# KiCad board Video Timer.kicad_pcb (continued)
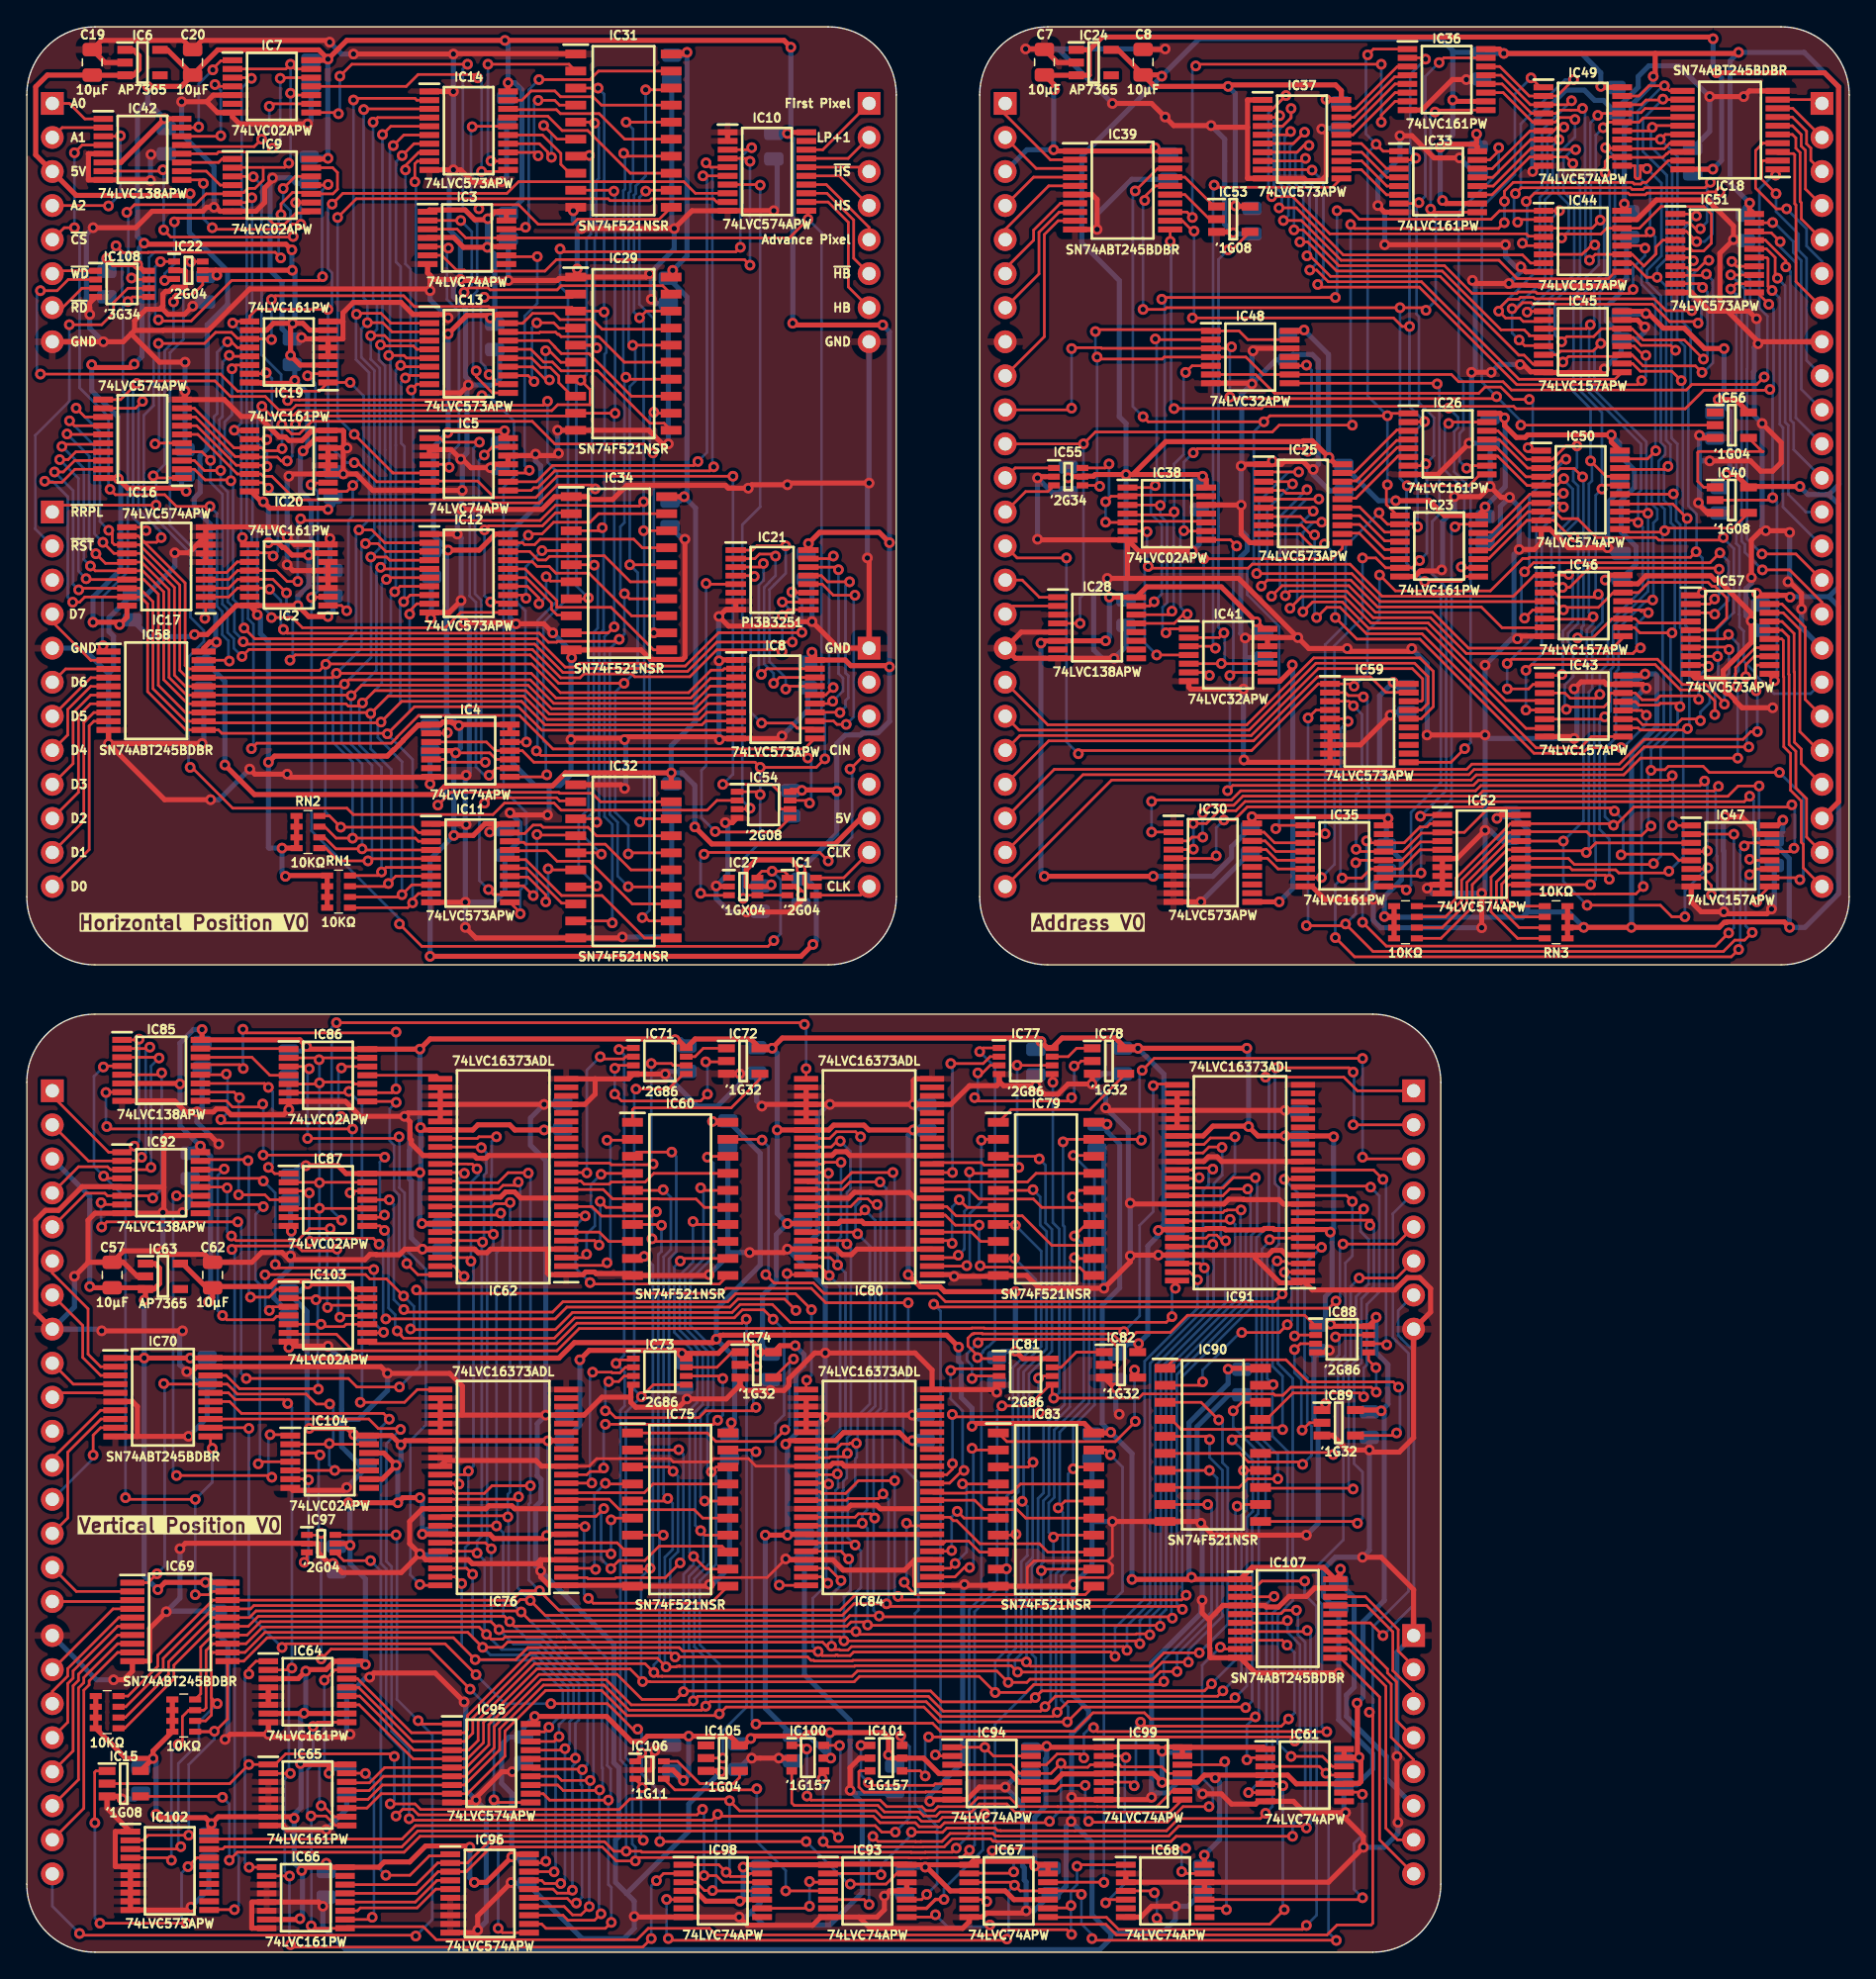
[diagram p0: board, top side]
## Library data of the parts (continued)
IC29 IC31 IC32 IC34 IC60 IC75 IC79 IC83 IC90 = -: Description: 8-Bit Identity/Magnitude Comparators (P=Q) with Enable; Height: 2; Manufacturer_Name: Texas Instruments; Mouser Part Number: 595-SN74F521NSR; Mouser Price/Stock: https://www.mouser.co.uk/ProductDetail/Texas-Instruments/SN74F521NSR?qs=mE33ZKBHyE6KJhInhzfN1g%3D%3D; Silkscreen: 74F521NSR
IC41 IC48 = -: Description: 74LVC32A - Quad 2-input OR gate@en-us; Height: 1.1; Manufacturer_Name: Nexperia; Mouser Part Number: 771-74LVC32APW-T; Mouser Price/Stock: https://www.mouser.com/Search/Refine.aspx?Keyword=771-74LVC32APW-T; Silkscreen: 74LVC32APW
IC43-IC47 = -: Description: NEXPERIA - 74LVC157APW,118 - MUX, QUAD, 8 I/P, TSSOP-16; Height: 1.1; Manufacturer_Name: Nexperia; Mouser Part Number: 771-74LVC157APW-T; Mouser Price/Stock: https://www.mouser.co.uk/ProductDetail/Nexperia/74LVC157APW118?qs=me8TqzrmIYWzCqHfrjyLrQ%3D%3D; Silkscreen: 74LVC157APW
IC51 IC57 IC59 = -: Description: 74LVC573A - Octal D-type transparent latch with 5 V tolerant inputs/outputs; 3-state@en-us; Height: 1.1; Manufacturer_Name: Nexperia; Manufacturer_Part_Number: 74LVC573APW,118; Mouser Part Number: 771-74LVC573APW-T; Mouser Price/Stock: https://www.mouser.co.uk/ProductDetail/Nexperia/74LVC573APW118/?qs=me8TqzrmIYU4mlL%252B5pgpig%3D%3D; Silkscreen: 74LVC573APW
IC54 = -: Description: 74LVC2G08-Q100 - Dual 2-input AND gate@en-us; Height: 1.1; Manufacturer_Name: Nexperia; Mouser Part Number: 771-74LVC2G08DPQ100H; Mouser Price/Stock: https://www.mouser.co.uk/ProductDetail/Nexperia/74LVC2G08DP-Q100H?qs=fi7yB2oewZnJ07IC2YGuEQ%3D%3D; Silkscreen: '2G08
IC55 = -: Description: 74LVC2G34 - Dual buffer gate@en-us, -40 C to +125 C, TSSOP6- plastic thin shrink small outline package; 6 leads; body width 1.25 mm; Height: 1.1; Manufacturer_Name: Nexperia; Mouser Part Number: 771-LVC2G34GW125; Silkscreen: '2G34
IC56 IC105 = -: Description: NXP 74LVC1G04GV,125 Inverter, 1.65  5.5 V, 5-Pin SC-74A; Height: 1.1; Manufacturer_Name: Nexperia; Mouser Part Number: 771-74LVC1G04GV; Mouser Price/Stock: https://www.mouser.co.uk/ProductDetail/Nexperia/74LVC1G04GV125?qs=me8TqzrmIYW6McwMAxl%2F9w%3D%3D; Silkscreen: '1G04
IC62 IC76 IC80 IC84 IC91 = -: Description: 74LVC16373A; 74LVCH16373A - 16-bit D-type transparent latch with 5 V tolerant inputs/outputs; 3-state@en-us; Height: 2.8; Manufacturer_Name: Nexperia; Mouser Part Number: 771-LVC16373ADL118; Mouser Price/Stock: https://www.mouser.com/Search/Refine.aspx?Keyword=771-LVC16373ADL118; Silkscreen: 74LVC16373ADL
IC71 IC73 IC77 IC81 IC88 = -: Description: 74LVC2G86 - Dual 2-input EXCLUSIVE-OR gate@en-us; Height: 1.1; Manufacturer_Name: Nexperia; Mouser Part Number: 771-LVC2G86DP125; Mouser Price/Stock: https://www.mouser.co.uk/ProductDetail/Nexperia/74LVC2G86DP125?qs=me8TqzrmIYU4VUcP1CeUGw%3D%3D; Silkscreen: '2G86
IC72 IC74 IC78 IC82 IC89 = -: Description: NEXPERIA - 74LVC1G32GV,125 - OR GATE, SINGLE, 2 I/P, SC-74A-5; Height: 1.1; Manufacturer_Name: Nexperia; Mouser Part Number: 771-LVC1G32GV125; Mouser Price/Stock: https://www.mouser.co.uk/ProductDetail/Nexperia/74LVC1G32GV125?qs=me8TqzrmIYXExQH4V9SARg%3D%3D; Silkscreen: '1G32
IC100 IC101 = -: Description: Nexperia 74LVC1G157GV,125, Multiplexer Encoder, 2 to 1, 6-Pin SC-74; Height: 1.1; Manufacturer_Name: Nexperia; Mouser Part Number: 771-74LVC1G157GV-G; Mouser Price/Stock: https://www.mouser.co.uk/ProductDetail/Nexperia/74LVC1G157GV125?qs=me8TqzrmIYVvTEwYoevmpg%3D%3D; Silkscreen: '1G157
IC106 = -: Description: 74LVC1G11-Q100 - Single 3-input AND gate@en-us; Height: 1.1; Manufacturer_Name: Nexperia; Mouser Part Number: 771-74LVC1G11GWQ100H; Mouser Price/Stock: https://www.mouser.co.uk/ProductDetail/Nexperia/74LVC1G11GW-Q100H?qs=cbprxTG2Yq8FEeh2WZ6ztg%3D%3D; Silkscreen: '1G11
IC108 = -: Description: Buffer, Non-Inverting 3 Element 1 Bit per Element Push-Pull Output 8-TSSOP; Height: 1.1; Manufacturer_Name: Nexperia; Mouser Part Number: 771-74LVC3G34DP-G; Mouser Price/Stock: https://www.mouser.co.uk/ProductDetail/Nexperia/74LVC3G34DP125?qs=me8TqzrmIYV28Fy3BYLivg%3D%3D; Silkscreen: '3G34
J1-J3 J7 J12 = -: Description: Generic connector, single row, 01x08, script generated
J4 J6 J11 = -: Description: Generic connector, single row, 01x24, script generated
J5 = -: Description: Generic connector, single row, 01x12, script generated
RN1-RN6 = -: Description: Bourns CAY16 Series 4.7k +/-5% Isolated SMT Resistor Array, 4 Resistors, 0.25W total 1206 (3216M) package Convex; Manufacturer_Name: Bourns; Mouser Part Number: 652-CAY16-103J4LF; Mouser Price/Stock: https://www.mouser.co.uk/ProductDetail/Bourns/CAY16-472J4LF?qs=vjljXApjgZXDWSqaYW6%252BOA%3D%3D; Silkscreen: 10KΩ

## Footprints (pads in the part's own frame, mm; a bottom-side part is the same pattern mirrored in y, then rotated)
74LVC1G157GV125
  rect 0.8x0.55 smd: 1(-1.2,0.95) 2(-1.2,0) 3(-1.2,-0.95) 4(1.2,-0.95) 5(1.2,0) 6(1.2,0.95)
74LVC2G34GW125
  rect 0.875x0.45 smd: 1(-1.059,0.618) 2(-1.059,-0.032) 3(-1.059,-0.682) 4(1.065,-0.682) 5(1.065,-0.032) 6(1.065,0.618)
C_0805
  rrect 1.45x1 smd: 1(0,-0.934) 2(0,0.966)
CAY16-J4
  rect 0.9x0.45 smd: 1(0.879,-1.2) 2(0.879,-0.4) 3(0.879,0.4) 4(0.879,1.2) 5(-0.821,1.2) 6(-0.821,0.4) 7(-0.821,-0.4) 8(-0.821,-1.2)
PinHeader_1x08_P2.54mm_Vertical
  rect 1.7x1.7 hole 1: 1(0,0)
  oval 1.7x1.7 hole 1: 2(0,-2.54) 3(0,-5.08) 4(0,-7.62) 5(0,-10.16) 6(0,-12.7) 7(0,-15.24) 8(0,-17.78)
PinHeader_1x12_P2.54mm_Vertical
  rect 1.7x1.7 hole 1: 1(0,0)
  oval 1.7x1.7 hole 1: 2(0,-2.54) 3(0,-5.08) 4(0,-7.62) 5(0,-10.16) 6(0,-12.7) 7(0,-15.24) 8(0,-17.78) 9(0,-20.32) 10(0,-22.86) 11(0,-25.4) 12(0,-27.94)
PinHeader_1x24_P2.54mm_Vertical
  rect 1.7x1.7 hole 1: 1(0,0)
  oval 1.7x1.7 hole 1: 2(0,-2.54) 3(0,-5.08) 4(0,-7.62) 5(0,-10.16) 6(0,-12.7) 7(0,-15.24) 8(0,-17.78) 9(0,-20.32) 10(0,-22.86) 11(0,-25.4) 12(0,-27.94) 13(0,-30.48) 14(0,-33.02) 15(0,-35.56) 16(0,-38.1) 17(0,-40.64) 18(0,-43.18) 19(0,-45.72) 20(0,-48.26) 21(0,-50.8) 22(0,-53.34) 23(0,-55.88) 24(0,-58.42)
SOIC127P780X200-20N
  rect 1.55x0.65 smd: 1(-3.562,5.715) 2(-3.562,4.445) 3(-3.562,3.175) 4(-3.562,1.905) 5(-3.562,0.635) 6(-3.562,-0.635) 7(-3.562,-1.905) 8(-3.562,-3.175) 9(-3.562,-4.445) 10(-3.562,-5.715) 11(3.562,-5.715) 12(3.562,-4.445) 13(3.562,-3.175) 14(3.562,-1.905) 15(3.562,-0.635) 16(3.562,0.635) 17(3.562,1.905) 18(3.562,3.175) 19(3.562,4.445) 20(3.562,5.715)
SOP64P599X175-16N
  rect 1.525x0.43 smd: 1(-2.712,2.222) 2(-2.712,1.588) 3(-2.712,0.952) 4(-2.712,0.318) 5(-2.712,-0.318) 6(-2.712,-0.952) 7(-2.712,-1.588) 8(-2.712,-2.222) 9(2.712,-2.222) 10(2.712,-1.588) 11(2.712,-0.952) 12(2.712,-0.318) 13(2.712,0.318) 14(2.712,0.952) 15(2.712,1.588) 16(2.712,2.222)
SOP64P1025X280-48N
  rect 1.8x0.43 smd: 1(-4.7,7.302) 2(-4.7,6.668) 3(-4.7,6.032) 4(-4.7,5.398) 5(-4.7,4.762) 6(-4.7,4.128) 7(-4.7,3.492) 8(-4.7,2.858) 9(-4.7,2.222) 10(-4.7,1.588) 11(-4.7,0.952) 12(-4.7,0.318) 13(-4.7,-0.318) 14(-4.7,-0.952) 15(-4.7,-1.588) 16(-4.7,-2.222) 17(-4.7,-2.858) 18(-4.7,-3.492) 19(-4.7,-4.128) 20(-4.7,-4.762) 21(-4.7,-5.398) 22(-4.7,-6.032) 23(-4.7,-6.668) 24(-4.7,-7.302) 25(4.7,-7.302) 26(4.7,-6.668) 27(4.7,-6.032) 28(4.7,-5.398) 29(4.7,-4.762) 30(4.7,-4.128) 31(4.7,-3.492) 32(4.7,-2.858) 33(4.7,-2.222) 34(4.7,-1.588) 35(4.7,-0.952) 36(4.7,-0.318) 37(4.7,0.318) 38(4.7,0.952) 39(4.7,1.588) 40(4.7,2.222) 41(4.7,2.858) 42(4.7,3.492) 43(4.7,4.128) 44(4.7,4.762) 45(4.7,5.398) 46(4.7,6.032) 47(4.7,6.668) 48(4.7,7.302)
SOP65P210X110-6N
  rect 0.875x0.45 smd: 1(-1.062,0.65) 2(-1.062,0) 3(-1.062,-0.65) 4(1.062,-0.65) 5(1.062,0) 6(1.062,0.65)
SOP65P400X110-8N
  rect 0.95x0.45 smd: 1(-1.975,0.975) 2(-1.975,0.325) 3(-1.975,-0.325) 4(-1.975,-0.975) 5(1.975,-0.975) 6(1.975,-0.325) 7(1.975,0.325) 8(1.975,0.975)
SOP65P640X110-14N
  rect 1.475x0.45 smd: 1(-2.938,1.95) 2(-2.938,1.3) 3(-2.938,0.65) 4(-2.938,0) 5(-2.938,-0.65) 6(-2.938,-1.3) 7(-2.938,-1.95) 8(2.938,-1.95) 9(2.938,-1.3) 10(2.938,-0.65) 11(2.938,0) 12(2.938,0.65) 13(2.938,1.3) 14(2.938,1.95)
SOP65P640X110-16N
  rect 1.45x0.45 smd: 1(-2.925,2.275) 2(-2.925,1.625) 3(-2.925,0.975) 4(-2.925,0.325) 5(-2.925,-0.325) 6(-2.925,-0.975) 7(-2.925,-1.625) 8(-2.925,-2.275) 9(2.925,-2.275) 10(2.925,-1.625) 11(2.925,-0.975) 12(2.925,-0.325) 13(2.925,0.325) 14(2.925,0.975) 15(2.925,1.625) 16(2.925,2.275)
SOP65P640X110-20N
  rect 1.475x0.45 smd: 1(-2.938,2.925) 2(-2.938,2.275) 3(-2.938,1.625) 4(-2.938,0.975) 5(-2.938,0.325) 6(-2.938,-0.325) 7(-2.938,-0.975) 8(-2.938,-1.625) 9(-2.938,-2.275) 10(-2.938,-2.925) 11(2.938,-2.925) 12(2.938,-2.275) 13(2.938,-1.625) 14(2.938,-0.975) 15(2.938,-0.325) 16(2.938,0.325) 17(2.938,0.975) 18(2.938,1.625) 19(2.938,2.275) 20(2.938,2.925)
SOP65P780X200-20N
  rect 1.8x0.45 smd: 1(-3.55,2.925) 2(-3.55,2.275) 3(-3.55,1.625) 4(-3.55,0.975) 5(-3.55,0.325) 6(-3.55,-0.325) 7(-3.55,-0.975) 8(-3.55,-1.625) 9(-3.55,-2.275) 10(-3.55,-2.925) 11(3.55,-2.925) 12(3.55,-2.275) 13(3.55,-1.625) 14(3.55,-0.975) 15(3.55,-0.325) 16(3.55,0.325) 17(3.55,0.975) 18(3.55,1.625) 19(3.55,2.275) 20(3.55,2.925)
SOT95P275X110-5N
  rect 1.25x0.6 smd: 1(-1.25,0.95) 2(-1.25,0) 3(-1.25,-0.95) 4(1.25,-0.95) 5(1.25,0.95)
SOT95P285X130-5N
  rect 1.15x0.6 smd: 1(-1.3,0.95) 2(-1.3,0) 3(-1.3,-0.95) 4(1.3,-0.95) 5(1.3,0.95)

## Nets
/Address Position/3.3V: C8.1 C9.1 C10.1 C11.1 C14.1 C15.1 C16.1 C17.1 C18.1 C21.1 C22.1 C23.1 C24.1 C25.1 C26.1 C27.1 C28.1 C32.1 C33.1 C37.1 C44.1 C46.1 C48.1 C50.1 C51.1 C53.1 C54.1 C56.1 IC23.16 IC24.5 IC25.20 IC26.16 IC28.6 IC28.16 IC30.20 IC33.10 IC33.16 IC35.16 IC36.10 IC36.16 IC37.20 IC38.14 IC40.5 IC41.14 IC43.16 IC44.16 IC45.16 IC46.16 IC47.16 IC48.14 IC49.20 IC50.20 IC51.20 IC52.20 IC53.5 IC55.5 IC56.5 IC57.20 IC59.20 RN3.5 RN3.6 RN3.7 RN3.8 RN4.5 RN4.6 RN4.7 RN4.8
/Address Position/5V: C7.1 C12.1 C13.1 IC18.20 IC24.1 IC24.3 IC39.1 IC39.20 J4.3 J6.22
/Address Position/GND: C7.2 C8.2 C9.2 C10.2 C11.2 C12.2 C13.2 C14.2 C15.2 C16.2 C17.2 C18.2 C21.2 C22.2 C23.2 C24.2 C25.2 C26.2 C27.2 C28.2 C32.2 C33.2 C37.2 C44.2 C46.2 C48.2 C50.2 C51.2 C53.2 C54.2 C56.2 IC18.10 IC23.8 IC24.2 IC25.1 IC25.10 IC26.8 IC28.3 IC28.5 IC28.8 IC30.1 IC30.6 IC30.7 IC30.8 IC30.9 IC30.10 IC33.8 IC35.8 IC36.8 IC37.1 IC37.10 IC38.7 IC38.12 IC39.6 IC39.10 IC39.19 IC40.3 IC41.7 IC41.12 IC41.13 IC43.8 IC43.15 IC44.8 IC44.15 IC45.8 IC45.15 IC46.8 IC46.15 IC47.8 IC47.15 IC48.7 IC48.12 IC49.10 IC50.10 IC51.10 IC52.6 IC52.7 IC52.8 IC52.9 IC52.10 IC53.3 IC55.2 IC56.3 IC57.10 IC59.6 IC59.7 IC59.8 IC59.9 IC59.10 J4.8 J4.17 J6.8 J6.17
/Horizontal Position/3.3V: C1.1 C2.1 C3.1 C4.1 C5.1 C6.1 C20.1 C29.1 C30.1 C31.1 C34.1 C35.1 C36.1 C39.1 C40.1 C41.1 C42.1 C43.1 C45.1 C47.1 C49.1 C52.1 C55.1 C63.1 IC1.5 IC2.7 IC2.16 IC3.1 IC3.4 IC3.10 IC3.13 IC3.14 IC4.1 IC4.4 IC4.10 IC4.13 IC4.14 IC5.14 IC6.5 IC7.14 IC8.20 IC9.14 IC10.20 IC11.20 IC12.20 IC13.20 IC14.20 IC16.20 IC17.20 IC19.3 IC19.7 IC19.10 IC19.16 IC20.7 IC20.16 IC21.16 IC22.5 IC27.5 IC42.6 IC42.16 IC54.8 IC108.8 RN1.5 RN1.6 RN1.7 RN1.8 RN2.5 RN2.6 RN2.7 RN2.8
/Horizontal Position/5V: C19.1 C38.1 C58.1 C59.1 C60.1 C61.1 IC6.1 IC6.3 IC29.20 IC31.20 IC32.20 IC34.20 IC58.20 J1.3 J3.6
/Horizontal Position/GND: C1.2 C2.2 C3.2 C4.2 C5.2 C6.2 C19.2 C20.2 C29.2 C30.2 C31.2 C34.2 C35.2 C36.2 C38.2 C39.2 C40.2 C41.2 C42.2 C43.2 C45.2 C47.2 C49.2 C52.2 C55.2 C58.2 C59.2 C60.2 C61.2 C63.2 IC1.2 IC2.3 IC2.4 IC2.5 IC2.6 IC2.8 IC3.7 IC4.7 IC5.2 IC5.3 IC5.7 IC5.11 IC5.12 IC6.2 IC7.5 IC7.7 IC8.1 IC8.10 IC9.7 IC10.1 IC10.2 IC10.10 IC11.1 IC11.10 IC12.1 IC12.10 IC13.1 IC13.10 IC14.1 IC14.10 IC16.10 IC17.6 IC17.7 IC17.8 IC17.9 IC17.10 IC19.4 IC19.5 IC19.6 IC19.8 IC20.3 IC20.4 IC20.5 IC20.6 IC20.8 IC21.7 IC21.8 IC22.2 IC27.2 IC29.1 IC29.10 IC31.1 IC31.10 IC32.1 IC32.10 IC34.1 IC34.10 IC42.5 IC42.8 IC54.4 IC58.10 IC108.4 J1.8 J2.8 J3.1 J5.5
/Vertical Position/3.3V: C62.1 C64.1 C65.1 C66.1 C67.1 C68.1 C71.1 C72.1 C73.1 C74.1 C75.1 C78.1 C79.1 C80.1 C81.1 C83.1 C84.1 C85.1 C86.1 C87.1 C89.1 C90.1 C91.1 C92.1 C94.1 C95.1 C96.1 C97.1 C98.1 C99.1 C100.1 C101.1 C102.1 C103.1 C104.1 C106.1 C107.1 C108.1 C109.1 C110.1 C111.1 C112.1 C113.1 C114.1 C115.1 C116.1 IC15.5 IC61.1 IC61.4 IC61.10 IC61.13 IC61.14 IC62.7 IC62.18 IC62.31 IC62.42 IC63.5 IC64.3 IC64.7 IC64.10 IC64.16 IC65.7 IC65.16 IC66.7 IC66.16 IC67.1 IC67.4 IC67.10 IC67.13 IC67.14 IC68.14 IC71.8 IC72.5 IC73.8 IC74.5 IC76.7 IC76.18 IC76.31 IC76.42 IC77.8 IC78.5 IC80.7 IC80.18 IC80.31 IC80.42 IC81.8 IC82.5 IC84.7 IC84.18 IC84.31 IC84.42 IC85.6 IC85.16 IC86.14 IC87.14 IC88.8 IC89.5 IC91.7 IC91.18 IC91.31 IC91.42 IC92.16 IC93.1 IC93.14 IC94.4 IC94.10 IC94.14 IC95.20 IC96.20 IC97.5 IC98.4 IC98.10 IC98.14 IC99.1 IC99.4 IC99.10 IC99.13 IC99.14 IC100.5 IC101.5 IC102.20 IC103.14 IC104.9 IC104.12 IC104.14 IC105.5 IC106.5 RN5.5 RN5.6 RN5.7 RN5.8 RN6.5 RN6.6 RN6.7 RN6.8
/Vertical Position/5V: C57.1 C69.1 C70.1 C76.1 C77.1 C82.1 C88.1 C93.1 C105.1 IC60.20 IC63.1 IC63.3 IC69.20 IC70.1 IC70.20 IC75.20 IC79.20 IC83.20 IC90.20 IC107.1 IC107.20 J7.6 J11.3
/Vertical Position/GND: C57.2 C62.2 C64.2 C65.2 C66.2 C67.2 C68.2 C69.2 C70.2 C71.2 C72.2 C73.2 C74.2 C75.2 C76.2 C77.2 C78.2 C79.2 C80.2 C81.2 C82.2 C83.2 C84.2 C85.2 C86.2 C87.2 C88.2 C89.2 C90.2 C91.2 C92.2 C93.2 C94.2 C95.2 C96.2 C97.2 C98.2 C99.2 C100.2 C101.2 C102.2 C103.2 C104.2 C105.2 C106.2 C107.2 C108.2 C109.2 C110.2 C111.2 C112.2 C113.2 C114.2 C115.2 C116.2 IC15.3 IC60.10 IC61.7 IC62.1 IC62.4 IC62.10 IC62.15 IC62.21 IC62.24 IC62.26 IC62.27 IC62.28 IC62.29 IC62.30 IC62.34 IC62.39 IC62.45 IC63.2 IC64.4 IC64.5 IC64.6 IC64.8 IC65.3 IC65.4 IC65.5 IC65.6 IC65.8 IC66.3 IC66.4 IC66.5 IC66.6 IC66.8 IC67.7 IC68.2 IC68.3 IC68.7 IC68.11 IC68.12 IC69.10 IC70.6 IC70.10 IC70.19 IC71.4 IC72.3 IC73.4 IC74.3 IC75.10 IC76.1 IC76.4 IC76.10 IC76.15 IC76.21 IC76.24 IC76.26 IC76.27 IC76.28 IC76.29 IC76.30 IC76.32 IC76.33 IC76.34 IC76.39 IC76.45 IC77.4 IC78.3 IC79.10 IC80.1 IC80.4 IC80.10 IC80.15 IC80.21 IC80.24 IC80.26 IC80.27 IC80.28 IC80.29 IC80.30 IC80.34 IC80.39 IC80.45 IC81.4 IC82.3 IC83.10 IC84.1 IC84.4 IC84.10 IC84.15 IC84.21 IC84.24 IC84.26 IC84.27 IC84.28 IC84.29 IC84.30 IC84.34 IC84.39 IC84.45 IC85.8 IC86.7 IC87.7 IC88.4 IC89.3 IC90.10 IC91.1 IC91.4 IC91.10 IC91.15 IC91.21 IC91.24 IC91.26 IC91.27 IC91.28 IC91.29 IC91.30 IC91.34 IC91.39 IC91.45 IC92.5 IC92.8 IC93.7 IC93.11 IC93.12 IC94.7 IC95.10 IC96.6 IC96.7 IC96.8 IC96.9 IC96.10 IC97.2 IC98.7 IC99.7 IC100.2 IC101.2 IC102.1 IC102.5 IC102.6 IC102.7 IC102.8 IC102.9 IC102.10 IC103.7 IC104.7 IC105.3 IC106.2 IC107.4 IC107.10 IC107.19 J7.1 J11.8 J11.17 J12.8
/Address Position/A0: IC28.1 J4.15
/Address Position/A1: IC28.2 J4.16
/Address Position/Address Bank ~{CS}: IC28.13 IC38.9 IC48.10
/Address Position/Address High ~{CS}: IC28.14 IC38.4 IC48.5
/Address Position/Address Low ~{CS}: IC28.15 IC38.1 IC48.2
/Address Position/Advance Pixel: IC36.7 IC39.13
/Address Position/Advance Pixel _{IN}: IC39.7 J4.6
/Address Position/Advance Row: IC39.17 IC53.1
/Address Position/Advance Row _{IN}: IC39.3 J4.2
/Address Position/C0: IC36.14 IC44.2 IC49.2 IC51.2
/Address Position/C1: IC36.13 IC44.5 IC49.3 IC51.3
/Address Position/C2: IC36.12 IC44.11 IC49.4 IC51.4
/Address Position/C3: IC36.11 IC44.14 IC49.5 IC51.5
/Address Position/C4: IC33.14 IC45.2 IC49.6 IC51.6
/Address Position/C5: IC33.13 IC45.5 IC49.7 IC51.7
/Address Position/C6: IC33.12 IC45.11 IC49.8 IC51.8
/Address Position/C7: IC33.11 IC45.14 IC49.9 IC51.9
/Address Position/C8: IC26.14 IC46.2 IC50.2 IC57.2
/Address Position/C9: IC26.13 IC46.5 IC50.3 IC57.3
/Address Position/C10: IC26.12 IC46.11 IC50.4 IC57.4
/Address Position/C11: IC26.11 IC46.14 IC50.5 IC57.5
/Address Position/C12: IC23.14 IC43.2 IC50.6 IC57.6
/Address Position/C13: IC23.13 IC43.5 IC50.7 IC57.7
/Address Position/C14: IC23.12 IC43.11 IC50.8 IC57.8
/Address Position/C15: IC23.11 IC43.14 IC50.9 IC57.9
/Address Position/C16: IC35.14 IC47.2 IC52.2 IC59.2
/Address Position/C17: IC35.13 IC47.5 IC52.3 IC59.3
/Address Position/C18: IC35.12 IC47.11 IC52.4 IC59.4
/Address Position/C19: IC35.11 IC47.14 IC52.5 IC59.5
/Address Position/D0: IC18.11 IC44.13 IC46.13 IC47.13 IC49.19 IC50.19 IC52.19 RN4.4
/Address Position/D0_{IN/OUT}: IC18.9 J6.1
/Address Position/D1: IC18.12 IC44.10 IC46.10 IC47.10 IC49.18 IC50.18 IC52.18 RN4.3
/Address Position/D1_{IN/OUT}: IC18.8 J6.2
/Address Position/D2: IC18.13 IC44.6 IC46.6 IC47.6 IC49.17 IC50.17 IC52.17 RN4.2
/Address Position/D2_{IN/OUT}: IC18.7 J6.3
/Address Position/D3: IC18.14 IC44.3 IC46.3 IC47.3 IC49.16 IC50.16 IC52.16 RN4.1
/Address Position/D3_{IN/OUT}: IC18.6 J6.4
/Address Position/D4: IC18.15 IC43.13 IC45.13 IC49.15 IC50.15 IC52.15 RN3.4
/Address Position/D4_{IN/OUT}: IC18.5 J6.5
/Address Position/D5: IC18.16 IC43.10 IC45.10 IC49.14 IC50.14 IC52.14 RN3.3
/Address Position/D5_{IN/OUT}: IC18.4 J6.6
/Address Position/D6: IC18.17 IC43.6 IC45.6 IC49.13 IC50.13 IC52.13 RN3.2
/Address Position/D6_{IN/OUT}: IC18.3 J6.7
/Address Position/D7: IC18.18 IC43.3 IC45.3 IC49.12 IC50.12 IC52.12 RN3.1
/Address Position/D7_{IN/OUT}: IC18.2 J6.9
/Address Position/Device ~{CS}: IC18.19 IC28.4 J4.11
/Address Position/GA0: IC51.19 J6.10
/Address Position/GA1: IC51.18 J6.11
/Address Position/GA2: IC51.17 J6.12
/Address Position/GA3: IC51.16 J6.13
/Address Position/GA4: IC51.15 J6.14
/Address Position/GA5: IC51.14 J6.15
/Address Position/GA6: IC51.13 J6.16
/Address Position/GA7: IC51.12 J6.18
/Address Position/GA8: IC57.19 J6.19
/Address Position/GA9: IC57.18 J6.20
/Address Position/GA10: IC57.17 J6.21
/Address Position/GA11: IC57.16 J6.23
/Address Position/GA12: IC57.15 J6.24
/Address Position/GA13: IC57.14 J4.24
/Address Position/GA14: IC57.13 J4.23
/Address Position/GA15: IC57.12 J4.22
/Address Position/GA16: IC59.19 J4.21
/Address Position/GA17: IC59.18 J4.20
/Address Position/GA18: IC59.17 J4.19
/Address Position/GA19: IC59.16 J4.18
/Address Position/Graphics Address ~{OE}: IC51.1 IC57.1 IC59.1 J4.14
/Address Position/L0: IC37.2 IC44.4
/Address Position/L1: IC37.3 IC44.7
/Address Position/L2: IC37.4 IC44.9
/Address Position/L3: IC37.5 IC44.12
/Address Position/L4: IC37.6 IC45.4
/Address Position/L5: IC37.7 IC45.7
/Address Position/L6: IC37.8 IC45.9
/Address Position/L7: IC37.9 IC45.12
/Address Position/L8: IC25.2 IC46.4
/Address Position/L9: IC25.3 IC46.7
/Address Position/L10: IC25.4 IC46.9
/Address Position/L11: IC25.5 IC46.12
/Address Position/L12: IC25.6 IC43.4
/Address Position/L13: IC25.7 IC43.7
/Address Position/L14: IC25.8 IC43.9
/Address Position/L15: IC25.9 IC43.12
/Address Position/L16: IC30.2 IC47.4
/Address Position/L17: IC30.3 IC47.7
/Address Position/L18: IC30.4 IC47.9
/Address Position/L19: IC30.5 IC47.12
/Address Position/Last Pixel + 1: IC39.15 IC53.2
/Address Position/Last Pixel + 1 _{IN}: IC39.5 J4.5
/Address Position/Latch Bank: IC30.11 IC41.8
/Address Position/Latch High: IC25.11 IC41.6
/Address Position/Latch Low: IC37.11 IC41.3
/Address Position/LC0: IC36.3 IC37.19
/Address Position/LC1: IC36.4 IC37.18
/Address Position/LC2: IC36.5 IC37.17
/Address Position/LC3: IC36.6 IC37.16
/Address Position/LC4: IC33.3 IC37.15
/Address Position/LC5: IC33.4 IC37.14
/Address Position/LC6: IC33.5 IC37.13
/Address Position/LC7: IC33.6 IC37.12
/Address Position/LC8: IC25.19 IC26.3
/Address Position/LC9: IC25.18 IC26.4
/Address Position/LC10: IC25.17 IC26.5
/Address Position/LC11: IC25.16 IC26.6
/Address Position/LC12: IC23.3 IC25.15
/Address Position/LC13: IC23.4 IC25.14
/Address Position/LC14: IC23.5 IC25.13
/Address Position/LC15: IC23.6 IC25.12
/Address Position/LC16: IC30.19 IC35.3
/Address Position/LC17: IC30.18 IC35.4
/Address Position/LC18: IC30.17 IC35.5
/Address Position/LC19: IC30.16 IC35.6
/Address Position/LP·AR: IC41.2 IC41.5 IC41.10 IC53.4
/Address Position/Pixel CLK: IC23.2 IC26.2 IC33.2 IC35.2 IC36.2 IC39.12
/Address Position/Pixel CLK _{IN}: IC39.8 J4.7
/Address Position/Read Address Low: IC40.1 IC56.4
/Address Position/TC_{0..3}: IC23.7 IC26.7 IC33.7 IC35.7 IC36.15
/Address Position/TC_{4..7}: IC26.10 IC33.15
/Address Position/TC_{8..11}: IC23.10 IC26.15
/Address Position/TC_{12..15}: IC23.15 IC35.10
/Address Position/Write Address Bank: IC38.8 IC41.9 IC47.1
/Address Position/Write Address High: IC38.6 IC41.4 IC43.1 IC46.1
/Address Position/Write Address Low: IC38.3 IC41.1 IC44.1 IC45.1
/Address Position/~{Horizontal Blank}: IC23.9 IC26.9 IC33.9 IC35.9 IC36.9 IC39.16
/Address Position/~{Horizontal Blank} _{IN}: IC39.4 J4.4
/Address Position/~{PC}·RAL: IC40.4 IC49.11 IC50.11 IC52.11
/Address Position/~{Pixel CLK}: IC39.11 IC40.2 IC51.11 IC57.11 IC59.11
/Address Position/~{Pixel CLK} _{IN}: IC39.9 J4.9
/Address Position/~{RD}: IC18.1 IC48.1 IC48.4 IC48.9 IC48.13 IC55.4
/Address Position/~{RD}_{IN}: IC55.3 J4.13
/Address Position/~{Read Address Bank}: IC48.8 IC52.1
/Address Position/~{Read Address High}: IC48.6 IC50.1
/Address Position/~{Read Address Low}: IC48.3 IC49.1 IC56.2 J4.10
/Address Position/~{Reset}: IC23.1 IC26.1 IC33.1 IC35.1 IC36.1 IC39.18
/Address Position/~{Reset} _{IN}: IC39.2 J4.1
/Address Position/~{WD}: IC38.2 IC38.5 IC38.10 IC38.13 IC55.6
/Address Position/~{WD}_{IN}: IC55.1 J4.12
/Horizontal Position/A0: IC42.1 J1.1
/Horizontal Position/A1: IC42.2 J1.2
/Horizontal Position/A2: IC42.3 J1.4
/Horizontal Position/Advance Pixel: IC10.7 IC54.3
/Horizontal Position/Advance Pixel _{OUT}: IC10.14 J2.5
/Horizontal Position/Back Porch End D0: IC12.12 IC34.2
/Horizontal Position/Back Porch End D1: IC12.13 IC34.4
/Horizontal Position/Back Porch End D2: IC12.14 IC34.6
/Horizontal Position/Back Porch End D3: IC12.15 IC34.8
/Horizontal Position/Back Porch End D4: IC12.16 IC34.11
/Horizontal Position/Back Porch End D5: IC12.17 IC34.13
/Horizontal Position/Back Porch End D6: IC12.18 IC34.15
/Horizontal Position/Back Porch End D7: IC12.19 IC34.17
/Horizontal Position/Back Porch Start D0: IC11.12 IC32.2
/Horizontal Position/Back Porch Start D1: IC11.13 IC32.4
/Horizontal Position/Back Porch Start D2: IC11.14 IC32.6
/Horizontal Position/Back Porch Start D3: IC11.15 IC32.8
/Horizontal Position/Back Porch Start D4: IC11.16 IC32.11
/Horizontal Position/Back Porch Start D5: IC11.17 IC32.13
/Horizontal Position/Back Porch Start D6: IC11.18 IC32.15
/Horizontal Position/Back Porch Start D7: IC11.19 IC32.17
/Horizontal Position/Clock Read Row Position: IC16.11 IC17.11 IC54.7
/Horizontal Position/D0: IC8.9 IC11.9 IC12.9 IC13.9 IC14.9 IC16.19 IC17.19 IC58.11 RN1.1
/Horizontal Position/D0_{IN/OUT}: IC58.9 J5.12
/Horizontal Position/D1: IC8.8 IC11.8 IC12.8 IC13.8 IC14.8 IC16.18 IC17.18 IC58.12 RN1.2
/Horizontal Position/D1_{IN/OUT}: IC58.8 J5.11
/Horizontal Position/D2: IC8.7 IC11.7 IC12.7 IC13.7 IC14.7 IC16.17 IC17.17 IC58.13 RN1.3
/Horizontal Position/D2_{IN/OUT}: IC58.7 J5.10
/Horizontal Position/D3: IC8.6 IC11.6 IC12.6 IC13.6 IC14.6 IC16.16 IC17.16 IC58.14 RN1.4
/Horizontal Position/D3_{IN/OUT}: IC58.6 J5.9
/Horizontal Position/D4: IC8.5 IC11.5 IC12.5 IC13.5 IC14.5 IC16.15 IC17.15 IC58.15 RN2.1
/Horizontal Position/D4_{IN/OUT}: IC58.5 J5.8
/Horizontal Position/D5: IC8.4 IC11.4 IC12.4 IC13.4 IC14.4 IC16.14 IC17.14 IC58.16 RN2.2
/Horizontal Position/D5_{IN/OUT}: IC58.4 J5.7
/Horizontal Position/D6: IC8.3 IC11.3 IC12.3 IC13.3 IC14.3 IC16.13 IC17.13 IC58.17 RN2.3
/Horizontal Position/D6_{IN/OUT}: IC58.3 J5.6
/Horizontal Position/D7: IC8.2 IC11.2 IC12.2 IC13.2 IC14.2 IC16.12 IC17.12 IC58.18 RN2.4
/Horizontal Position/D7_{IN/OUT}: IC58.2 J5.4
/Horizontal Position/Device ~{CS}: IC42.4 IC58.19 J1.5
/Horizontal Position/First Pixel: IC4.8 IC10.3
/Horizontal Position/First Pixel _{OUT}: IC10.18 J2.1
/Horizontal Position/Front Porch Start D0: IC13.12 IC29.2
/Horizontal Position/Front Porch Start D1: IC13.13 IC29.4
/Horizontal Position/Front Porch Start D2: IC13.14 IC29.6
/Horizontal Position/Front Porch Start D3: IC13.15 IC29.8
/Horizontal Position/Front Porch Start D4: IC13.16 IC29.11
/Horizontal Position/Front Porch Start D5: IC13.17 IC29.13
/Horizontal Position/Front Porch Start D6: IC13.18 IC29.15
/Horizontal Position/Front Porch Start D7: IC13.19 IC29.17
/Horizontal Position/Horizontal Blank: IC5.5 IC10.9
/Horizontal Position/Horizontal Blank _{OUT}: IC10.12 J2.7
/Horizontal Position/Horizontal Sync: IC5.9 IC10.6
/Horizontal Position/Horizontal Sync _{OUT}: IC10.15 J2.4
/Horizontal Position/Last Pixel + 1: IC3.6 IC10.4
/Horizontal Position/Last Pixel + 1 _{OUT}: IC10.17 J2.2
/Horizontal Position/Pixel CLK: IC1.1 IC2.2 IC19.2 IC20.2 IC27.6
/Horizontal Position/Pixel CLK _{IN}: IC27.3 J3.4
/Horizontal Position/Pixel CLK _{OUT}: IC1.4 J3.8
/Horizontal Position/R0: IC16.2 IC19.14 IC21.11
/Horizontal Position/R1: IC16.3 IC19.13 IC21.10
/Horizontal Position/R2: IC16.4 IC19.12 IC21.9
/Horizontal Position/R3: IC16.5 IC19.11 IC29.3 IC31.3 IC32.3 IC34.3
/Horizontal Position/R4: IC16.6 IC20.14 IC29.5 IC31.5 IC32.5 IC34.5
/Horizontal Position/R5: IC16.7 IC20.13 IC29.7 IC31.7 IC32.7 IC34.7
/Horizontal Position/R6: IC16.8 IC20.12 IC29.9 IC31.9 IC32.9 IC34.9
/Horizontal Position/R7: IC16.9 IC20.11 IC29.12 IC31.12 IC32.12 IC34.12
/Horizontal Position/R8: IC2.14 IC17.2 IC29.14 IC31.14 IC32.14 IC34.14
/Horizontal Position/R9: IC2.13 IC17.3 IC29.16 IC31.16 IC32.16 IC34.16
/Horizontal Position/R10: IC2.12 IC17.4 IC29.18 IC31.18 IC32.18 IC34.18
/Horizontal Position/R11: IC2.11 IC17.5
/Horizontal Position/Read Row Position High: IC9.11 IC22.1
/Horizontal Position/Read Row Position High ~{CS}: IC9.12 IC42.7
/Horizontal Position/Read Row Position Low: IC9.8 IC22.3 IC54.2
/Horizontal Position/Read Row Position Low ~{CS}: IC9.9 IC42.9
/Horizontal Position/RPS0: IC8.19 IC21.3
/Horizontal Position/RPS1: IC8.18 IC21.2
/Horizontal Position/RPS2: IC8.17 IC21.1
/Horizontal Position/RPS3: IC8.16 IC21.15
/Horizontal Position/RPS4: IC8.15 IC21.14
/Horizontal Position/RPS5: IC8.14 IC21.13
/Horizontal Position/RPS6: IC8.13 IC21.12
/Horizontal Position/RPS7: IC8.12 IC21.4
/Horizontal Position/Select Advance Pixel: IC21.5 IC54.5
/Horizontal Position/Sync Start D0: IC14.12 IC31.2
/Horizontal Position/Sync Start D1: IC14.13 IC31.4
/Horizontal Position/Sync Start D2: IC14.14 IC31.6
/Horizontal Position/Sync Start D3: IC14.15 IC31.8
/Horizontal Position/Sync Start D4: IC14.16 IC31.11
/Horizontal Position/Sync Start D5: IC14.17 IC31.13
/Horizontal Position/Sync Start D6: IC14.18 IC31.15
/Horizontal Position/Sync Start D7: IC14.19 IC31.17
/Horizontal Position/TC_{0123}: IC19.15 IC20.10
/Horizontal Position/TC_{4567}: IC2.10 IC20.15
/Horizontal Position/Write Back Porch End: IC9.6 IC12.11
/Horizontal Position/Write Back Porch End ~{CS}: IC9.4 IC42.10
/Horizontal Position/Write Back Porch Start: IC9.3 IC11.11
/Horizontal Position/Write Back Porch Start ~{CS}: IC9.1 IC42.11
/Horizontal Position/Write Front Porch Start: IC7.8 IC13.11
/Horizontal Position/Write Front Porch Start ~{CS}: IC7.9 IC42.13
/Horizontal Position/Write Shift Pattern: IC7.3 IC8.11
/Horizontal Position/Write Shift Pattern ~{CS}: IC7.1 IC42.15
/Horizontal Position/Write Sync Start: IC7.11 IC14.11
/Horizontal Position/Write Sync Start ~{CS}: IC7.12 IC42.12
/Horizontal Position/~{Back Porch End}: IC4.9 IC5.1
/Horizontal Position/~{Back Porch End} _{CMP}: IC4.12 IC34.19
/Horizontal Position/~{Back Porch Start}: IC4.5 IC5.13
/Horizontal Position/~{Back Porch Start} _{CMP}: IC4.2 IC32.19
/Horizontal Position/~{Front Porch Start}: IC3.5 IC5.4
/Horizontal Position/~{Front Porch Start} _{CMP}: IC3.2 IC29.19
/Horizontal Position/~{Horizontal Blank}: IC2.9 IC5.6 IC10.8 IC19.9 IC20.9 IC54.6
/Horizontal Position/~{Horizontal Blank} _{OUT}: IC10.13 J2.6
/Horizontal Position/~{Horizontal Sync}: IC5.8 IC10.5
/Horizontal Position/~{Horizontal Sync} _{OUT}: IC10.16 J2.3
/Horizontal Position/~{Pixel CLK}: IC1.3 IC3.3 IC3.11 IC4.3 IC4.11 IC10.11 IC27.4 IC54.1
/Horizontal Position/~{Pixel CLK} _{OUT}: IC1.6 J3.7
/Horizontal Position/~{RD}: IC9.10 IC9.13 IC58.1 IC108.5
/Horizontal Position/~{RD}_{IN}: IC108.3 J1.7
/Horizontal Position/~{Read Row Position Low}: IC16.1 IC22.4 J5.1
/Horizontal Position/~{Reset _{IN}}: IC108.6 J5.2
/Horizontal Position/~{Reset}: IC2.1 IC19.1 IC20.1 IC108.2
/Horizontal Position/~{RRPH}: IC17.1 IC22.6
/Horizontal Position/~{Sync Start}: IC3.9 IC5.10
/Horizontal Position/~{Sync Start} _{CMP}: IC3.12 IC31.19
/Horizontal Position/~{WD}: IC7.2 IC7.10 IC7.13 IC9.2 IC9.5 IC108.7
/Horizontal Position/~{WD}_{IN}: IC108.1 J1.6
/Horizontal Position/~{Y1}: IC7.4 IC42.14
/Vertical Position/A0: IC85.1 IC92.1 J11.1
/Vertical Position/A1: IC85.2 IC92.2 J11.2
/Vertical Position/A2: IC85.3 IC92.3 J11.4
/Vertical Position/A3: IC85.5 IC92.6 J11.5
/Vertical Position/Back Porch End D0: IC83.2 IC84.2
/Vertical Position/Back Porch End D1: IC83.4 IC84.3
/Vertical Position/Back Porch End D2: IC83.6 IC84.5
/Vertical Position/Back Porch End D3: IC83.8 IC84.6
/Vertical Position/Back Porch End D4: IC83.11 IC84.8
/Vertical Position/Back Porch End D5: IC83.13 IC84.9
/Vertical Position/Back Porch End D6: IC83.15 IC84.11
/Vertical Position/Back Porch End D7: IC83.17 IC84.12
/Vertical Position/Back Porch End D8: IC81.2 IC84.13
/Vertical Position/Back Porch End D9: IC81.6 IC84.14
/Vertical Position/Back Porch Start D0: IC79.2 IC80.2
/Vertical Position/Back Porch Start D1: IC79.4 IC80.3
/Vertical Position/Back Porch Start D2: IC79.6 IC80.5
/Vertical Position/Back Porch Start D3: IC79.8 IC80.6
/Vertical Position/Back Porch Start D4: IC79.11 IC80.8
/Vertical Position/Back Porch Start D5: IC79.13 IC80.9
/Vertical Position/Back Porch Start D6: IC79.15 IC80.11
/Vertical Position/Back Porch Start D7: IC79.17 IC80.12
/Vertical Position/Back Porch Start D8: IC77.2 IC80.13
/Vertical Position/Back Porch Start D9: IC77.6 IC80.14
/Vertical Position/Clear Interrupt: IC103.8 IC105.2
/Vertical Position/Clear Interrupt ~{CS}: IC92.13 IC103.9
/Vertical Position/D0: IC62.36 IC62.47 IC69.11 IC76.36 IC76.47 IC80.36 IC80.47 IC84.36 IC84.47 IC91.36 IC91.47 IC95.19 IC96.19 IC102.2 RN6.1
/Vertical Position/D0_{IN/OUT}: IC69.9 J11.23
/Vertical Position/D1: IC62.35 IC62.46 IC69.12 IC76.35 IC76.46 IC80.35 IC80.46 IC84.35 IC84.46 IC91.35 IC91.46 IC95.18 IC96.18 IC102.3 RN6.2
/Vertical Position/D1_{IN/OUT}: IC69.8 J11.22
/Vertical Position/D2: IC62.33 IC62.44 IC69.13 IC76.44 IC80.33 IC80.44 IC84.33 IC84.44 IC91.33 IC91.44 IC95.17 IC96.17 IC102.4 RN6.3
/Vertical Position/D2_{IN/OUT}: IC69.7 J11.21
/Vertical Position/D3: IC62.32 IC62.43 IC69.14 IC76.43 IC80.32 IC80.43 IC84.32 IC84.43 IC91.32 IC91.43 IC95.16 IC96.16 RN6.4
/Vertical Position/D3_{IN/OUT}: IC69.6 J11.20
/Vertical Position/D4: IC62.41 IC69.15 IC76.41 IC80.41 IC84.41 IC91.41 IC95.15 IC96.15 RN5.1
/Vertical Position/D4_{IN/OUT}: IC69.5 J11.19
/Vertical Position/D5: IC62.40 IC69.16 IC76.40 IC80.40 IC84.40 IC91.40 IC95.14 IC96.14 RN5.2
/Vertical Position/D5_{IN/OUT}: IC69.4 J11.18
/Vertical Position/D6: IC62.38 IC69.17 IC76.38 IC80.38 IC84.38 IC91.38 IC95.13 IC96.13 RN5.3
/Vertical Position/D6_{IN/OUT}: IC69.3 J11.16
/Vertical Position/D7: IC62.37 IC69.18 IC76.37 IC80.37 IC84.37 IC91.37 IC95.12 IC96.12 RN5.4
/Vertical Position/D7_{IN/OUT}: IC69.2 J11.15
/Vertical Position/Device ~{CS}: IC69.19 IC70.11 IC85.4 IC92.4
/Vertical Position/Device ~{CS} _{IN}: IC70.9 J11.13
/Vertical Position/Enable: IC15.2 IC64.1 IC65.1 IC66.1 IC93.9 IC94.1 IC94.13 IC98.1 IC98.13
/Vertical Position/First Pixel: IC64.2 IC65.2 IC66.2 IC70.16 IC98.2
/Vertical Position/First Pixel _{HALF CYCLE}: IC61.3 IC61.11 IC67.3 IC67.11 IC98.5
/Vertical Position/First Pixel _{IN}: IC70.4 J11.9
/Vertical Position/First Row: IC67.8 IC107.2
/Vertical Position/First Row _{OUT}: IC107.18 J7.2
/Vertical Position/Front Porch Start D0: IC75.2 IC76.2
/Vertical Position/Front Porch Start D1: IC75.4 IC76.3
/Vertical Position/Front Porch Start D2: IC75.6 IC76.5
/Vertical Position/Front Porch Start D3: IC75.8 IC76.6
/Vertical Position/Front Porch Start D4: IC75.11 IC76.8
/Vertical Position/Front Porch Start D5: IC75.13 IC76.9
/Vertical Position/Front Porch Start D6: IC75.15 IC76.11
/Vertical Position/Front Porch Start D7: IC75.17 IC76.12
/Vertical Position/Front Porch Start D8: IC73.2 IC76.13
/Vertical Position/Front Porch Start D9: IC73.6 IC76.14
/Vertical Position/Horizontal Blank: IC94.9 IC107.9
/Vertical Position/Horizontal Blank _{IN}: IC94.12 J12.6
/Vertical Position/Horizontal Blank _{OUT}: IC107.11 J7.8
/Vertical Position/Horizontal Sync: IC94.5 IC101.1
/Vertical Position/Horizontal Sync _{IN}: IC94.2 J12.5
/Vertical Position/Horizontal Sync _{OUT}: IC107.14 J7.4
